# Altium PCB EE4951_BPM_REVA.PcbDoc (part 3 of 3)
Units mil, origin at the board's own origin, x right, y up, seen from the top; angles counter-clockwise.
Board outline 2500 x 2000 mil, 4 copper layers (Top Layer, Ground Plane, Mid Layer 1, Bottom Layer), stack 30.634 mil thick; 227 components, 141 nets, 756 pads, 403 vias.
Unrouted connection lines stored in the file: 7.
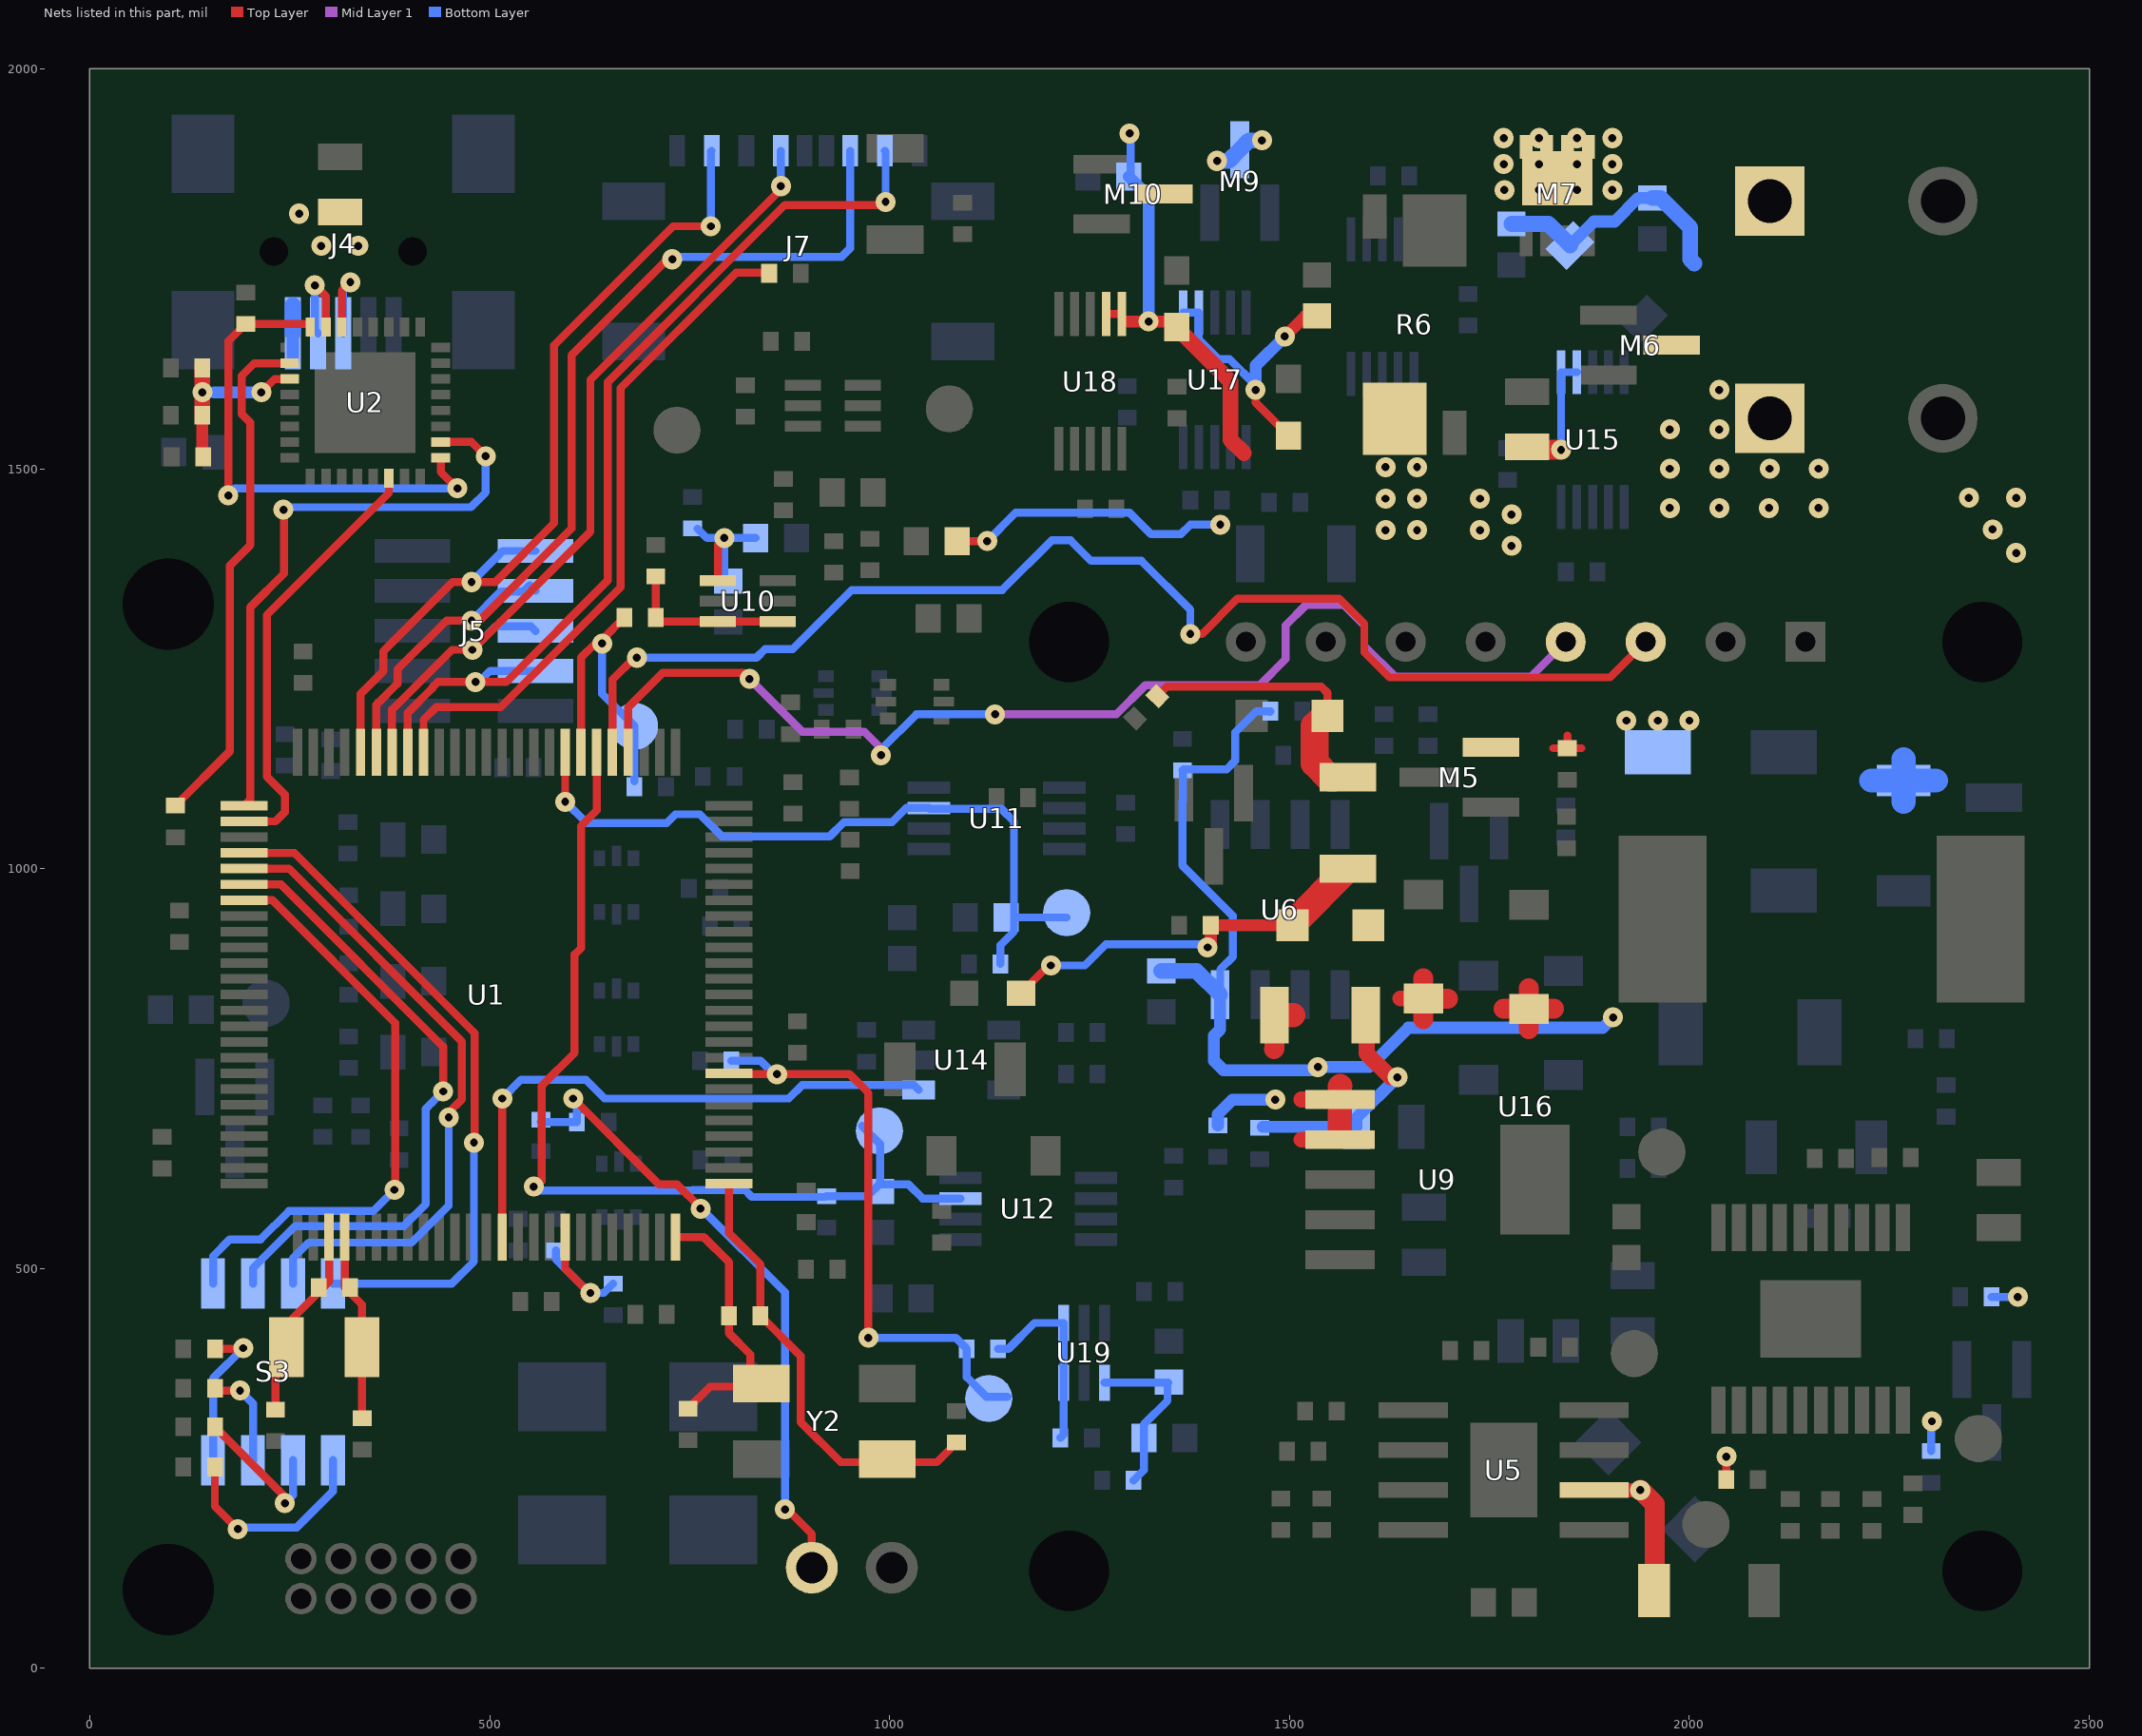
[diagram p5: the nets of this part, all layers, seen from the top]

## Via types
v1: diameter 25, hole 10, Top Layer to Bottom Layer, tented both sides, 360 vias
v2: diameter 25, hole 10, Top Layer to Bottom Layer, 43 vias

## Nets (pads, with @x,y where several pads share a name; then routed paths per layer and width w, separated by ;. In a path a pad name is that pad's centre, name@x,y a point inside that pad or via, vN(x,y) a via of type N, cw(c..) or ccw(c..) an arc to the next point about the centre after c; other vN are vias at no path point) (continued)
NetR78_2: R78.2 S3.1 | length 267.2
  Top Layer w10: R78.2@156.5,251.97 156.5,202.76 v1(185.04,174.21)
  Bottom Layer w10: v1(185.04,174.21) 187.01,176.18 258.86,176.18 304.13,221.46 S3.1@304.13,260.43
NetR79_2: R79.2 S3.2 | length 189.7
  Top Layer w10: R79.2@156.5,302.17 244.09,214.57 v1(244.09,206.69)
  Bottom Layer w10: v1(244.09,206.69) 254.13,216.73 S3.2@254.13,260.43
NetR80_2: R80.2 S3.3 | length 126.4
  Top Layer w10: R80.2@156.5,350.39 159.45,347.44 v1(187.99,347.44)
  Bottom Layer w10: v1(187.99,347.44) 204.13,331.3 S3.3@204.13,260.43
NetR81_2: R81.2 S3.4 | length 191.7
  Top Layer w10: R81.2@156.5,399.61 190.94,399.61 v1(191.93,400.59)
  Bottom Layer w10: S3.4@154.13,260.43 154.13,362.8 v1(191.93,400.59)
NetU1_79: U1.79 U16.4 | length 1470.4
  Top Layer w10: U1.79@673.23,1145.67 673.23,1201.77 716.04,1244.59 817.42,1244.59 v1(824.8,1237.2)
  Mid Layer 1 w10: v1(824.8,1237.2) 890.75,1171.26 968.5,1171.26 989.17,1150.59 v1(989.17,1141.73) ; v1(1131.89,1192.91) 1283.46,1192.91 1319.88,1229.33 1462.6,1229.33 1495.08,1261.81 1495.08,1304.13 1520.67,1329.72 1567.91,1329.72 1593.5,1304.13 1593.5,1278.54 1631.89,1240.16 1801.97,1240.16 U16.4@1845.28,1283.46
  Bottom Layer w10: v1(989.17,1141.73) 989.17,1148.62 1033.46,1192.91 v1(1131.89,1192.91)
NetU1_80: U1.80 U16.3 | length 1619.1
  Top Layer w10: U1.80@653.54,1145.67 653.54,1236.22 681.1,1263.78 v1(684.06,1263.78) ; v1(1375.98,1293.31) 1390.75,1293.31 1435.04,1337.6 1562.01,1337.6 1593.5,1306.1 1593.5,1270.67 1625,1239.17 1900.98,1239.17 U16.3@1945.28,1283.46
  Bottom Layer w10: v1(684.06,1263.78) 833.66,1263.78 844.49,1274.61 878.94,1274.61 952.76,1348.43 1140.75,1348.43 1202.76,1410.43 1226.38,1410.43 1251.97,1384.84 1314.96,1384.84 1375.98,1323.82 v1(1375.98,1293.31)
OPT0: S3.8 U1.4 | length 856.1
  Top Layer w10: U1.4@192.91,1019.68 255.91,1019.68 481.43,794.16 481.43,660.56 v1@478.35,657.48
  Bottom Layer w10: S3.8@304.13,481.3 452.76,481.3 480.32,508.86 v1(480.32,657.48)
OPT1: S3.7 U1.5 | length 827.5
  Top Layer w10: U1.5@192.91,1000 249.02,1000 465.43,783.59 465.43,711.72 448.82,695.11 v1(448.82,688.98)
  Bottom Layer w10: S3.7@254.13,481.3 254.13,512.99 273.62,532.48 402.56,532.48 448.82,578.74 v1(448.82,688.98)
OPT2: S3.6 U1.6 | length 807.3
  Top Layer w10: U1.6@192.91,980.31 239.17,980.31 441.93,777.56 v1(441.93,721.46)
  Bottom Layer w10: S3.6@204.13,481.3 204.13,500.39 256.89,553.15 392.72,553.15 420.28,580.71 420.28,699.8 428.15,707.68 v1(441.93,721.46)
OPT3: S3.5 U1.7 | length 756.9
  Top Layer w10: U1.7@192.91,960.63 228.35,960.63 381.89,807.09 381.89,599.41 v1(380.91,598.43)
  Bottom Layer w10: S3.5@154.13,481.3 154.13,515.35 175.2,536.42 213.58,536.42 249.02,571.85 354.33,571.85 v1(380.91,598.43)
OSC8M_N: C16.2 R21.2 U1.50 Y2.2 | length 335.7
  Top Layer w10: U1.50@732.28,539.37 767.72,539.37 799.21,507.87 R21.2@799.21,440.95 799.21,419.29 825.79,392.72 825.79,352.36 775.59,352.36 C16.2@748.03,324.8
OSC8M_P: C17.2 R21.1 U1.51 Y2.4 | length 561.2
  Top Layer w10: U1.51@799.21,606.3 799.21,544.29 838.58,504.92 R21.1@838.58,440.95 888.78,390.75 888.78,308.07 938.98,257.87 983.27,257.87 1059.05,257.87 C17.2@1083.66,282.48
OSC32K_N: C15.2 R20.1 U1.29 Y1.1 | length 235.3
  Top Layer w10: U1.29@318.9,539.37 318.9,476.38 340.55,454.72 Y1.1@340.55,401.57 C15.2@340.55,312.99
OSC32K_P: C14.2 R20.2 U1.28 Y1.2 | length 244.7
  Top Layer w10: C14.2@232.28,323.82 232.28,387.8 Y1.2@246.06,401.57 ; Y1.2@247.05,400.59 Y1.2@246.06,401.57 ; U1.28@299.21,539.37 299.21,483.27 246.06,430.12 Y1.2@246.06,401.57
PWR_FAIL_IRQ: U1.39 U14.1 | length 722.8
  Top Layer w10: U1.39@515.75,539.37 v1(515.75,712.6)
  Bottom Layer w10: v1(515.75,712.6) 539.37,736.22 620.08,736.22 643.7,712.6 874.02,712.6 890.75,729.33 1030.51,729.33 U14.1@1036.42,723.43
S\T\A\T\S\_\I\R\Q\: C12.1 R7.1 U1.43 | length 188.8
  Top Layer w10: U1.43@594.49,539.37 594.49,500 625,469.49 v1(625.98,469.49)
  Bottom Layer w10: R7.1@582.68,522.83 582.68,511.81 625,469.49 v1(625.98,469.49) 642.72,469.49 C12.1@654.53,481.3
SD_C\S\: J5.4 J7.P2 U1.93 | length 1204.4
  Top Layer w10: U1.93@397.64,1145.67 397.64,1194.88 428.15,1225.39 428.15,1226.38 435.04,1233.27 v1(482.28,1233.27) 520.67,1233.27 647.64,1360.24 647.64,1608.27 869.09,1829.72 995.08,1829.72 v1(995.08,1833.66)
  Bottom Layer w10: v1(482.28,1233.27) 486.81,1233.27 500.79,1247.24 J5.4@557.09,1247.24 ; J7.P2@994.09,1897.64 995.08,1896.65 v1(995.08,1833.66)
SD_CLK: J5.6 J7.P5 U1.94 | length 1061.7
  Top Layer w10: U1.94@377.95,1145.67 377.95,1198.82 452.78,1273.65 v1(478.37,1273.65) 625.98,1421.26 625.98,1611.22 864.17,1849.41 v1(864.17,1853.35)
  Bottom Layer w10: v1(478.37,1273.65) 507.87,1303.15 551.18,1303.15 J5.6@557.09,1297.24 ; v1(864.17,1853.35) J7.P5@864.17,1897.64
SD_DETECT: R26.1 U1.92 | length 850.3
  Top Layer w10: U1.92@417.32,1145.67 417.32,1186.02 433.07,1201.77 513.78,1201.77 663.64,1351.63 663.64,1600.65 808.07,1745.08 848.43,1745.08 R26.1@849.41,1744.09
SD_MISO: J5.10 J7.P7 U1.96 | length 1088.5
  Top Layer w10: U1.96@338.58,1145.67 338.58,1218.5 367.13,1247.05 367.13,1271.65 453.74,1358.27 v1(477.36,1358.27) 506.89,1358.27 580.71,1432.09 580.71,1654.53 729.33,1803.15 v1(776.57,1803.15)
  Bottom Layer w10: v1(477.36,1358.27) 516.34,1397.24 J5.10@557.09,1397.24 ; v1(776.57,1803.15) 776.57,1896.65 J7.P7@777.56,1897.64
SD_MOSI: J5.8 J7.P3 U1.95 | length 1258.4
  Top Layer w10: U1.95@358.27,1145.67 358.27,1204.72 384.84,1231.3 384.84,1249.02 445.87,1310.04 v1(477.36,1310.04) 487.2,1310.04 602.36,1425.2 602.36,1641.73 728.35,1767.72 v1(728.35,1761.81)
  Bottom Layer w10: v1(477.36,1310.04) 513.78,1346.46 542.13,1346.46 550,1354.33 J5.8@557.09,1347.24 ; v1(728.35,1761.81) 728.35,1764.76 939.96,1764.76 950.79,1775.59 J7.P3@950.79,1897.64
SELF_3V3_ISENSE: C54.1 R52.2 TP8.1 U1.81 U12.7 | length 1231.3
  Top Layer w10: v1@561.02,608.27 v1(555.12,602.36) ; U1.81@633.86,1145.67 633.86,1072.83 614.17,1053.15 614.17,900.59 606.3,892.72 606.3,769.69 564.96,728.35 564.96,609.25 v1@556.1,600.39 ; v1@555.12,599.41 v1@556.1,600.39 ; v1@555.12,599.41 556.1,598.43 v1@556.1,600.39 ; v1@555.12,599.41 v1(555.12,602.36) ; v1(555.12,602.36) 556.1,601.38 v1@556.1,600.39
  Bottom Layer w10: v1(555.12,602.36) 560.04,597.44 753.18,597.44 754.05,598.3 819.02,598.3 827.76,589.57 920.28,589.57 C54.1@921.26,590.55 972.44,590.55 R52.2@988.19,606.3 ; TP8.1@965.55,678.15 988.19,655.51 R52.2@988.19,606.3 ; U12.7@1088.58,587.6 1041.34,587.6 1023.62,605.31 989.17,605.31 R52.2@988.19,606.3
SELF_3V3_VSENSE: C70.1 R73.2 TP11.1 U1.58 | length 780.9
  Top Layer w10: U1.58@799.21,744.09 800.2,743.11 v1(859.25,743.11) 949.8,743.11 973.43,719.49 v1(973.43,413.39)
  Bottom Layer w10: C70.1@802.17,759.84 838.58,759.84 856.3,742.13 857.28,743.11 v1(859.25,743.11) ; v1(973.43,413.39) 1082.68,413.39 R73.2@1096.46,399.61 1096.46,364.17 1121.06,339.57 TP11.1@1147.64,339.57
SELF_5V_ISENSE: C48.1 R47.2 TP7.1 U1.83 U11.7 | length 922.6
  Top Layer w10: v1(594.49,1083.66) U1.83@594.49,1145.67
  Bottom Layer w10: v1(594.49,1083.66) 621.06,1057.09 721.46,1057.09 732.28,1067.91 762.8,1067.91 790.35,1040.35 925.2,1040.35 942.91,1058.07 1002.95,1058.07 1020.67,1075.79 U11.7@1049.21,1075.79 1050.2,1074.8 1139.76,1074.8 1155.51,1059.06 R47.2@1155.51,938.98 ; C48.1@1138.78,880.91 1138.78,904.53 1155.51,921.26 R47.2@1155.51,938.98 ; TP7.1@1221.46,938.98 R47.2@1155.51,938.98
SELF_5V_VSENSE: C49.1 R45.2 TP6.1 U1.82 | length 384.9
  Top Layer w10: U1.82@614.17,1145.67 614.17,1263.78 631.89,1281.5 v1(640.75,1281.5) 640.75,1286.42 R45.2@668.31,1313.98
  Bottom Layer w10: v1(640.75,1281.5) 640.75,1218.5 TP6.1@681.1,1178.15 C49.1@681.1,1109.25
STATS_SW_IRQ: J6.1 R8.1 R9.2 | length 803.4
  Top Layer w10: v1(604.33,712.6) 711.61,605.31 734.25,605.31 763.78,575.79 v1(763.78,574.8) ; v1@869.44,201.43 902.76,168.11 J6.1@902.76,125.98
  Bottom Layer w10: R9.2@563.98,683.07 R8.1@609.25,683.07 609.25,707.68 v1(604.33,712.6) ; v1(763.78,574.8) 764.76,574.8 869.09,470.47 v1(869.09,198.82)
U2_R\E\S\E\T\: R19.2 U2.18 | length 647.2
  Top Layer w10: R19.2@107.28,1078.74 175.2,1146.65 175.2,1378.94 200.79,1404.53 200.79,1557.82 189.96,1568.65 189.96,1616.14 205.71,1631.89 U2.18@250,1631.89
UART1_RX: U1.2 U2.30 | length 546
  Top Layer w10: U1.2@192.91,1059.06 232.28,1059.06 244.09,1070.87 244.09,1092.52 221.46,1115.16 221.46,1316.93 374.02,1469.49 U2.30@374.02,1488.19
UART1_TX: U1.1 U2.2 | length 761.9
  Top Layer w10: U1.1@192.91,1078.74 200.79,1086.61 200.79,1326.77 243.11,1369.09 243.11,1447.83 v1(242.13,1448.82) ; U2.2@438.98,1533.46 477.36,1533.46 v1(495.08,1515.75)
  Bottom Layer w10: v1(242.13,1448.82) 245.2,1451.89 476.5,1451.89 495.08,1470.47 v1(495.08,1515.75)
USB_3V3: C13.2 U2.1 U2.16 | length 643.5
  Top Layer w10: v1(173.23,1466.54) 173.23,1659.45 C13.2@194.88,1681.1 271.65,1681.1 U2.16@275.59,1677.17 ; U2.1@438.98,1513.78 438.98,1496.06 v1(459.65,1475.39)
  Bottom Layer w10: v1(173.23,1466.54) 173.23,1467.52 181.1,1475.39 v1(459.65,1475.39)
USB_5V: C1.1 C10.1 C11.1 J4.1 M5.2 R1.2 R32.2 U2.19 | length 350.4
  Top Layer w10: v1(214.57,1595.47) 231.3,1612.2 U2.19@250,1612.2 ; 1847.44,1166.34 R32.2@1847.44,1150.59 ; 1865.16,1150.59 R32.2@1847.44,1150.59 ; R32.2@1847.44,1150.59 1829.72,1150.59 R32.2@1847.44,1150.59
  Top Layer w15: R1.2@140.75,1515.75 C11.1@140.75,1566.93
  Top Layer w20: C11.1@140.75,1566.93 v1(140.75,1595.47) C1.1@140.75,1625.98
  Bottom Layer w15: 155.51,1595.47 v1(214.57,1595.47) ; J4.1@253.94,1634.84 J4.1@253.94,1669.29
  Bottom Layer w20: J4.1@253.94,1669.29 J4.1@253.94,1704.72
  other v1: 2408.46,1394.68 2378.94,1424.21 2349.41,1463.58 2408.46,1463.58 289.37,1778.54 335.63,1778.54 261.81,1818.9
USBD_N: J4.2 U2.15 | length 119.5
  Top Layer w10: v1(281.5,1729.33) 295.28,1715.55 U2.15@295.28,1677.17
  Bottom Layer w10: v1(281.5,1729.33) 281.5,1673.23 J4.2@285.43,1669.29
USBD_P: J4.3 U2.14 | length 128.1
  Top Layer w10: U2.14@315.28,1677.17 315.28,1722.76 v1(325.79,1733.27)
  Bottom Layer w10: J4.3@316.93,1669.29 316.93,1724.41 v1(325.79,1733.27)
V3_ISENSE_N: R42.2 R50.1 U9.1 U9.2 | length 310.9
  Top Layer w20: 1514.76,711.12 1514.86,711.22 U9.1@1562.99,711.22 ; 1515.06,661.22 U9.2@1562.99,661.22
  Top Layer w25: 1480.81,774.61 1481.3,775.1 R42.2@1481.3,816.93
  Top Layer w30: R42.2@1481.3,816.93 1504.92,816.93 ; 1562.99,673.23 U9.1@1562.99,711.22 1562.99,727.85 1563.48,728.35
  Bottom Layer w15: R50.1@1410.43,679.13 1410.43,692.91 1428.74,711.22 v1(1482.28,711.22)
V3_ISENSE_P: C44.1 D4.1 D7.1 NT2.2 R42.1 R51.1 | length 537.4
  Top Layer w20: R42.1@1596.46,830.71 1596.46,768.7 1625.98,739.17 v1(1634.84,739.17) ; 1638.78,837.6 D7.1@1667.32,837.6
  Top Layer w25: 1667.32,812.01 D7.1@1667.32,837.6 ; 1667.32,863.19 D7.1@1667.32,837.6 ; 1697.83,837.6 D7.1@1667.32,837.6 ; 1767.72,824.8 D4.1@1799.21,824.8 ; 1799.21,799.21 D4.1@1799.21,824.8 ; 1799.21,850.39 D4.1@1799.21,824.8 ; 1830.71,824.8 D4.1@1799.21,824.8
  Bottom Layer w15: R51.1@1466.54,677.17 C44.1@1583.66,677.17 1583.66,687.99 v1(1634.84,739.17)
V3_VSENSE_IN: C72.1 R72.1 R74.2 U19.1 | length 219.6
  Bottom Layer w10: U19.1@1268.78,357.28 1348.43,357.28 1347.44,356.3 1347.44,334.65 1317.91,305.12 R74.2@1317.91,288.39 1317.91,248.03 C72.1@1305.12,235.24
V3_VSENSE_OUT: C71.1 R73.1 U19.3 U19.4 | length 240.6
  Bottom Layer w10: R73.1@1135.83,399.61 1148.62,399.61 1181.1,432.09 U19.4@1217.6,432.09 U19.3@1217.6,357.28 1217.6,292.4 C71.1@1213.58,288.39
V5_ISENSE_N: NT1.1 R30.2 R43.1 | length 365.2
  Top Layer w10: R43.1@1334.79,1215.69 1346.46,1227.36 1539.94,1227.36 1547.44,1219.86 1547.44,1193.9 NT1.1@1547.44,1190.94
  Top Layer w30: R30.2@1556.1,1113.19 R30.2@1563.98,1113.19
  Top Layer w31.5: R30.2@1563.98,1113.19 R30.2@1570.87,1113.19
  Top Layer w35: NT1.1@1547.44,1193.9 1531.5,1177.95 1531.5,1131.89 1550.2,1113.19 R30.2@1556.1,1113.19
V5_ISENSE_P: NT2.1 R30.1 R46.1 R56.1 | length 498.9
  Top Layer w10: R56.1@1164.37,844.49 1198.82,878.94 v1(1201.77,878.94)
  Top Layer w15: v1(1397.64,901.57) 1401.57,905.51 R46.1@1401.57,929.13 NT2.1@1503.74,929.13
  Top Layer w35: NT2.1@1503.74,929.13 1503.74,930.91 R30.1@1572.83,1000
  Bottom Layer w10: v1(1201.77,878.94) 1244.09,878.94 1270.67,905.51 1401.57,905.51 v1(1397.64,901.57)
V5_VSENSE_IN: C51.1 R44.2 R48.1 U10.1 | length 190.3
  Top Layer w10: U10.1@785.43,1360.24 785.43,1405.51 v1(793.31,1413.39)
  Bottom Layer w10: C51.1@759.84,1425.2 771.65,1413.39 v1(793.31,1413.39) ; R44.2@798.23,1359.25 793.31,1364.17 v1(793.31,1413.39) ; R48.1@832.68,1413.39 v1(793.31,1413.39)
V5_VSENSE_OUT: C50.1 R45.1 U10.3 U10.4 | length 205.8
  Top Layer w10: C50.1@707.68,1365.16 R45.1@707.68,1313.98 712.6,1309.06 U10.3@785.43,1309.06 U10.4@860.24,1309.06
V_BAT: C26.2 C28.1 C29.2 D8.2 D12.1 J1.1 R6.3 R10.2 R11.2 R12.2 R13.2 R14.2 R17.2 R18.2 R22.2 R34.2 R62.2 R63.2 R64.2 R65.2 U5.2 U6.8 U15.1 U15.2 U17.1 U17.2 U18.1 U18.2 | length 3340
  Top Layer w10: R22.2@1084.65,1409.45 v1(1122.05,1409.45) ; U18.2@1270.67,1693.5 U18.1@1290.35,1693.5 ; v1(1457.68,1598.43) 1457.68,1582.68 R63.2@1499.02,1541.34 ; C29.2@2046.26,236.22 v1(2046.26,264.76)
  Top Layer w15: U18.1@1293.31,1684.06 v1(1323.82,1684.06) R65.2@1351.38,1684.06 ; v1(1494.09,1665.35) 1519.69,1690.95 R62.2@1534.45,1690.95
  Top Layer w18: U5.2@1880.91,222.97 v1(1938.52,222.97) v1@1938.98,223.43
  Top Layer w20: R65.2@1359.25,1676.18 1426.18,1609.25 1426.18,1536.42 1442.91,1519.69 ; R63.2@1499.02,1541.34 R63.2@1501.97,1538.39 ; v1@1959.65,1187.01 v1@1960.63,1187.01
  Top Layer w25: R17.2@1797.24,1527.56 1801.18,1523.62 v1(1839.57,1523.62) ; v1@1938.98,223.43 1956.69,205.71 C28.1@1956.69,88.58
  Top Layer w40: R6.3@1629.92,1561.02 R6.3@1631.5,1562.6
  Bottom Layer w10: v1(1122.05,1409.45) 1157.48,1444.88 1300.2,1444.88 1326.77,1418.31 1364.17,1418.31 1375.98,1430.12 v1(1413.39,1430.12) ; R64.2@1299.21,1865.16 1301.18,1867.13 1301.18,1918.31 v1(1300.2,1919.29) ; U17.1@1367.13,1695.47 1386.5,1695.47 1386.5,1661.73 1411.42,1636.81 1425.2,1636.81 v1@1457.68,1604.33 ; U6.8@1413.19,834.65 1413.39,834.84 1413.39,874.02 1429.13,889.76 1429.13,940.94 1366.14,1003.94 1366.14,1083.89 1367,1084.75 1367,1122.17 R12.2@1366.14,1123.03 1367.13,1124.02 1421.26,1124.02 1432.09,1134.84 1432.09,1170.28 1458.66,1196.85 R11.2@1476.38,1196.85 R11.2@1475.39,1195.87 ; v1(1839.57,1523.62) U15.1@1839.57,1620.67 U15.2@1859.25,1620.67 ; R10.2@2302.17,271.65 2302.17,308.07 v1(2303.15,309.06) ; R14.2@2377.95,464.57 v1(2410.43,464.57)
  Bottom Layer w15: R64.2@1299.21,1865.16 1323.82,1840.55 v1(1323.82,1684.06) ; U6.8@1413.19,842.52 1413.19,834.65 1413.19,799.02 1405.51,791.34 1405.51,759.84 1417.32,748.03 1531.5,748.03 v1(1535.43,751.97) 1599.41,751.97 1648.62,801.18 1891.73,801.18 v1(1904.53,813.98) ; v1(1457.68,1598.43) 1457.68,1604.33 1457.68,1628.94 v1(1494.09,1665.35) ; D12.1@1850.72,1779.2 1880.57,1809.06 1906.5,1809.06 1936.02,1838.58 R13.2@1953.74,1838.58
  Bottom Layer w20: C26.2@1339.57,872.05 1383.66,872.05 U6.8@1413.19,842.52 ; R18.2@1777.56,1806.1 1823.82,1806.1 D12.1@1850.72,1779.2 ; R13.2@1953.74,1838.58 1963.58,1838.58 2000.98,1801.18 2000.98,1761.81 2005.91,1756.89
  Bottom Layer w30: 2227.36,1110.24 R34.2@2267.72,1110.24 ; 2267.72,1083.66 R34.2@2267.72,1110.24 ; 2267.72,1136.81 R34.2@2267.72,1110.24 ; 2308.07,1110.24 R34.2@2267.72,1110.24
  other v1: 1921.26,1185.04 1960.63,1185.04 2000,1185.04 1777.56,1403.54 1620.08,1423.23 1659.45,1423.23 1738.19,1423.23 1777.56,1442.91 1975.39,1450.79 2037.4,1450.79 2099.41,1450.79 2161.42,1450.79 1620.08,1462.6 1659.45,1462.6 1738.19,1462.6 1975.39,1500 2037.4,1500 2100.39,1500 2161.42,1500 1620.08,1501.97 1659.45,1501.97 1975.39,1549.21 2037.4,1549.21 2037.4,1598.43
V_DUT: J2.1 M6.3 M7.5 M7.6 M7.7 M7.8 M9.3 M10.3 | length 66.7
  Bottom Layer w20: v1(1409.45,1884.84) 1423.83,1884.84 M9.3@1437.85,1898.87 1449.42,1910.43 v1(1465.55,1910.43)
  other v1: 1768.7,1848.43 1812.01,1848.43 1859.25,1848.43 1903.54,1848.43 1767.72,1880.91 1812.01,1880.91 1859.25,1880.91 1903.54,1880.91 1767.72,1913.39 1812.01,1913.39 1859.25,1913.39 1903.54,1913.39
pads on no net: J3.7 J3.9 J4.0 J4.4 J7.P1 J7.P8 M1.3 M1.4 M1.5 Mech1.1 Mech2.1 U1.10 U1.11 U1.12 U1.13 U1.14 U1.15 U1.16 U1.17 U1.18 U1.19 U1.20 U1.21 U1.26 U1.27 U1.31 U1.32 U1.33 U1.42 U1.44 U1.45 U1.46 U1.47 U1.57 U1.59 U1.62 U1.63 U1.64 U1.65 U1.66 U1.67 U1.68 U1.69 U1.71 U1.78 U1.84 U1.85 U1.86 U1.87 U1.90 U1.91 U2.3 U2.5 U2.6 U2.7 U2.8 U2.9 U2.10 U2.11 U2.12 U2.13 U2.21 U2.22 U2.23 U2.25 U2.27 U2.28 U2.29 U2.31 U2.32 U7.3 U13.4 U15.4 U16.0 U16.6 U17.4 U18.4

## Polygon pours and split planes (outlines as drawn)
V_DUT on Top Layer "V_DUT_L01_P002" (solid, pour order 2): 25 vertices, not listed, extent 1326.77,1642.72 2163.39,1928.15
GND on Top Layer "Top Ground Ring" (solid, pour order 22): 43 vertices, not listed, extent 0,0 2500,2000
V_BAT on Top Layer "Top VBAT Plane" (solid, pour order 52): 43 vertices, not listed, extent 1357.28,1333.66 2246.06,1668.31
NetM7_1 on Top Layer "NetM7_1" (solid, pour order 56): 1640.75,1752.95 1660.43,1733.27 1729.33,1733.27 1739.17,1743.11 1847.44,1743.11 1847.44,1745.08 1855.32,1752.95 1855.32,1812.01 1850.39,1816.93 1751.97,1816.93 1722.44,1846.46 1643.7,1846.46 1640.75,1843.5
USB_5V on Top Layer "Top USB_5v Plane" (solid, pour order 86): 288.39,1837.6 249.02,1837.6 242.13,1830.71 242.13,1795.28 258.86,1778.54 258.86,1768.7 268.7,1758.86 337.6,1758.86 350.39,1758.86 364.17,1772.64 364.17,1821.85 364.17,1827.76 354.33,1837.6
USB_5V on Top Layer "Top USB_5v Plane" (solid, pour order 92): 29 vertices, not listed, extent 1716.54,1081.69 2426.18,1478.35
GND on Top Layer "Top Ground Ring" (solid, pour order 24): 50 vertices, not listed, extent 0,232.28 2251.97,2000
GND on Top Layer "Top Ground Ring" (solid, pour order 26): 20 vertices, not listed, extent 507.87,74.8 1040.41,374.02
GND on Top Layer "Top Ground Ring" (solid, pour order 28): 94 vertices, not listed, extent 851.62,39.37 1393.7,1184.06
NetD8_1 on Top Layer "Top" (solid, pour order 106): 1911.42,1041.34 1940.94,1070.87 2039.37,1070.87 2051.18,1059.06 2051.18,911.42 2011.81,872.05
NetD10_2 on Top Layer "Top Power" (solid, pour order 114): 2105.32,833.66 2185.04,753.94 2213.58,753.94 2292.32,832.68 2312.01,832.68 2312.01,1041.34 2243.11,1041.34 2213.58,1011.81 2203.74,1001.97 2203.74,913.39 2164.37,874.02 2114.17,874.02 2105.32,865.16
NetC36_1 on Top Layer "Top Power" (solid, pour order 116): 23 vertices, not listed, extent 2042.32,548.23 2189.96,1013.78
NetD4_2 on Top Layer "Bottom Power" (solid, pour order 124): 1665.35,928.15 1675.2,937.99 1704.72,937.99 1744.09,977.36 1763.78,997.05 1812.99,997.05 1852.36,957.68 1852.36,928.15 1812.99,888.78 1691.93,888.78 1665.35,915.35
no net on Top Layer "Top V5_SUM" (solid, pour order 128): 20 vertices, not listed, extent 1579.72,781.5 1847.44,948.82
V3_ISENSE_N on Top Layer "Top LDO In" (solid, pour order 130): 1463.58,852.36 1463.58,779.53 1468.5,774.61 1468.5,669.29 1488.19,649.61 1606.3,649.61 1606.3,723.43 1547.24,782.48 1547.24,821.85 1547.24,842.52 1537.4,852.36
3.3V on Top Layer "3.3v Out" (solid, pour order 132): 1616.14,582.68 1478.35,582.68 1478.35,444.88 1616.14,444.88
GND on Top Layer "Top GND" (solid, pour order 134): 18 vertices, not listed, extent 1600.39,498.03 1937.99,713.58
GND on Top Layer "Top GND Plane" (solid, pour order 102): 124.02,915.35 124.02,923.23 118.11,929.13 90.55,929.13 61.02,958.66 61.02,750.98 70.87,760.83 113.19,760.83 124.02,771.65 124.02,893.7
GND on Top Layer "Top Ground Plane" (solid, pour order 144): 28 vertices, not listed, extent 54.13,391.73 357.28,927.17
GND on Top Layer "Top Ground Plane" (solid, pour order 146): 27 vertices, not listed, extent 281.5,734.25 573.82,1120.08
GND on Ground Plane "Internal Ground Plane" (solid, pour order 6): 9.84,9.84 9.84,1990.16 2490.16,1990.16 2490.16,9.84
GND on Mid Layer 1 "Mid Ground Plane" (solid, pour order 152): 36 vertices, not listed, extent 1052.17,712.6 1726.38,1241.14
V_BAT on Mid Layer 1 "Internal VBAT Plane" (solid, pour order 54): 25 vertices, not listed, extent 1599.41,1336.61 2140.75,1577.76
V_BAT on Mid Layer 1 "Internal VBAT Plane" (solid, pour order 16): 31 vertices, not listed, extent 1334.65,62.5 2440.94,1625.98
3.3V on Mid Layer 1 "Internal 3.3v Plane" (solid, pour order 50): 80 vertices, not listed, extent 55.12,60.04 1616.14,1822.1
V_DUT on Mid Layer 1 "Internal V_DUT Plane" (solid, pour order 58): 1739.17,1928.15 1729.33,1918.31 1729.33,1864.17 1730.32,1864.17 1765.75,1828.74 1927.17,1828.74 1986.22,1769.68 2140.75,1769.68 2163.39,1792.32 2163.39,1878.94 2114.17,1928.15
GND on Mid Layer 1 "Internal GND Plane" (solid, pour order 60): 49 vertices, not listed, extent 988.19,1496.06 2373.03,1886.81
USB_5V on Mid Layer 1 "Internal USB_5v Plane" (solid, pour order 88): 38 vertices, not listed, extent 235.24,1372.05 2440.94,1973.43
GND on Mid Layer 1 "Internal GND Ring" (solid, pour order 90): 40 vertices, not listed, extent 0,0 2500,2000
GND on Mid Layer 1 "Internal Ground Thermal" (solid, pour order 136): 1631.89,709.65 1885.83,709.65 1885.83,509.84 1631.89,509.84
GND on Bottom Layer "Botton Ground Ring" (solid, pour order 30): 55 vertices, not listed, extent 0,0 2500,2000
GND on Bottom Layer "Bottom Ground Thermal" (solid, pour order 36): 2172.24,495.08 2083.66,583.66 1995.08,583.66 1981.3,569.88 1981.3,382.87 2067.91,296.26 2243.11,296.26 2244.09,296.26 2305.12,357.28 2306.1,358.27 2306.1,493.11 2299.21,500 2294.29,500 2284.45,500 2279.53,495.08
3.3V on Bottom Layer "Botton 3.3v Thermal" (solid, pour order 40): 1616.14,444.88 1448.82,444.88 1419.29,474.41 1419.29,572.83 1429.13,582.68 1458.66,582.68 1507.87,631.89 1596.46,631.89 1606.3,631.89 1616.14,622.05
GND on Bottom Layer "Botton Ground Thermal" (solid, pour order 38): 18 vertices, not listed, extent 1767.72,457.68 2011.81,708.66
V_DUT on Bottom Layer "Bottom V_DUT Plane" (solid, pour order 78): 20 vertices, not listed, extent 1746.06,1767.72 2165.35,1928.15
V_BAT on Bottom Layer "Bottom V_BAT Plane" (solid, pour order 80): 39 vertices, not listed, extent 1887.8,1025.59 2328.74,1788.39
USB_5V on Bottom Layer "Bottom USB_5v Plane" (solid, pour order 82): 21 vertices, not listed, extent 124.02,1574.8 357.28,1837.6
USB_5V on Bottom Layer "Bottom USB_5v Plane" (solid, pour order 94): 2316.93,1475.39 2326.77,1485.24 2410.43,1485.24 2425.2,1470.47 2425.2,1465.55 2425.2,1379.92 2395.67,1350.39 2375.98,1350.39 2357.28,1350.39 2316.93,1390.75
NetD8_1 on Bottom Layer "Bottom Power" (solid, pour order 104): 17 vertices, not listed, extent 1920.28,911.42 2159.45,1172.24
NetC36_1 on Bottom Layer "Top" (solid, pour order 108): 2077.76,1000 2077.76,921.26 2087.6,911.42 2186.02,911.42 2373.03,911.42 2375,911.42 2416.34,952.76 2416.34,998.03 2400.59,1013.78 2091.54,1013.78
NetD10_2 on Bottom Layer "Top Power" (solid, pour order 112): 2105.32,763.78 2115.16,753.94 2213.58,753.94 2233.27,773.62 2233.27,862.2 2221.46,874.02 2113.19,874.02 2105.32,866.14
BOOST_OUT on Bottom Layer "Bottom Boost Out" (solid, pour order 118): 30 vertices, not listed, extent 1817.91,552.17 2173.23,874.02
NetD5_1 on Bottom Layer "Bottom Power" (solid, pour order 122): 1712.6,848.43 1712.6,884.84 1726.38,890.75 1732.28,897.64 1739.17,897.64 1751.97,910.43 1751.97,1081.69 1801.18,1081.69 1811.02,1071.85 1811.02,983.27 1867.13,927.17 1867.13,855.31 1817.91,855.31 1811.02,848.43 1807.09,848.43
NetD4_2 on Bottom Layer "Bottom Power" (solid, pour order 126): 1736.22,1003.94 1736.22,915.35 1726.38,905.51 1712.6,905.51 1701.28,894.19 1678.64,894.19 1657.48,915.35 1657.48,954.72 1706.69,1003.94
GND on Bottom Layer "Bottom Ground" (solid, pour order 142): 21 vertices, not listed, extent 229.33,249.02 515.75,456.69
GND on Bottom Layer "Bottom Ground Plane" (solid, pour order 148): 35 vertices, not listed, extent 329.72,1002.95 654.53,1212.6
GND on Bottom Layer "Bottom Ground Plane" (solid, pour order 150): 44 vertices, not listed, extent 673.23,731.3 1076.77,1042.32
GND on Bottom Layer "Botton Ground Ring" (solid, pour order 32): 36 vertices, not listed, extent 0,236.22 2185.04,2000
GND on Bottom Layer "Botton Ground Ring" (solid, pour order 34): 23 vertices, not listed, extent 1325.79,66.93 1822.87,464.57
GND on Bottom Layer "Bottom GND Plane" (solid, pour order 66): 1752.95,1950.79 1693.9,1891.73 1595.47,1891.73 1556.1,1852.36 1506.89,1852.36 1487.2,1872.05 1487.2,1940.94 1467.52,1960.63 1752.95,1960.63
GND on Bottom Layer "Bottom GND Plane" (solid, pour order 70): 69 vertices, not listed, extent 195.87,1324.8 1336.61,1968.5
GND on Bottom Layer "Bottom GND Plane" (solid, pour order 72): 708.66,1921.26 718.5,1931.1 797.24,1931.1 816.93,1911.42 824.8,1911.42 834.65,1921.26 844.49,1931.1 1061.02,1931.1 1080.71,1911.42 1080.71,1970.47 708.66,1970.47
GND on Bottom Layer "Bottom GND Plane" (solid, pour order 74): 18 vertices, not listed, extent 54.13,1413.39 376.97,1966.54
GND on Bottom Layer "Bottom GND Ring" (solid, pour order 96): 2450.79,456.69 2431.1,437.01 2413.39,437.01 2403.54,427.17 2403.54,318.9 2413.39,309.06 2413.39,190.94 2450.79,190.94
GND on Bottom Layer "Bottom GND Plane" (solid, pour order 98): 37 vertices, not listed, extent 498.03,102.36 852.36,553.15
GND on Bottom Layer "Bottom Ground" (solid, pour order 138): 75 vertices, not listed, extent 1023.62,365.16 1485.24,885.83

## Other copper
Top Layer:
  region net GND: 2294.29,374.02 2294.29,500 2010.83,500 2010.83,374.02
  region net GND: 1822.83,358.2 1712.6,358.2 1712.6,137.73 1822.83,137.73
  rectangle net V3_ISENSE_P: 1586.34,902.83 1628.94,948.82
  region net 5V: 1477.36,1213.58 1412.4,1213.58 1398.62,1199.8 1398.62,1180.12 1434.06,1144.68 1473.43,1144.68 1473.43,1144.69 1479.33,1150.59 1479.33,1169.29 1489.17,1179.13 1489.17,1188.98
  pour cut-out: 115.16,1641.73 115.16,1551.18 87.6,1551.18 87.6,1641.73
  pour cut-out: 281.5,1873.03 344.49,1873.03 344.49,1910.43 281.5,1910.43
  pour cut-out: 1829.72,1166.34 1865.16,1166.34 1865.16,1134.84 1829.72,1134.84
  pour cut-out: 177.17,1704.72 212.6,1704.72 212.6,1736.22 177.17,1736.22
  pour cut-out: 965.55,1924.21 1048.23,1924.21 1048.23,1876.97 965.55,1876.97
  pour cut-out: 1109.25,1848.43 1109.25,1816.93 1073.82,1816.93 1073.82,1848.43
  pour cut-out: 95.47,923.23 128.94,923.23 128.94,893.7 95.47,893.7
  pour cut-out: 730.32,301.18 765.75,301.18 765.75,269.68 730.32,269.68
  pour cut-out: 783.46,288.39 783.46,227.36 868.11,227.36 868.11,288.39
  pour cut-out: 941.93,382.87 1025.59,382.87 1025.59,321.85 941.93,321.85
  pour cut-out: 1065.94,307.09 1065.94,337.6 1101.38,337.6 1101.38,307.09
  pour cut-out: 1157.48,1106.3 1157.48,1070.87 1188.98,1070.87 1188.98,1106.3
  pour cut-out: 1522.64,188.98 1522.64,157.48 1558.07,157.48 1558.07,188.98
  pour cut-out: 1471.46,188.98 1471.46,157.48 1506.89,157.48 1506.89,188.98
  pour cut-out: 2108.27,187.99 2108.27,156.5 2143.7,156.5 2143.7,187.99
  pour cut-out: 2158.46,187.99 2158.46,156.5 2193.9,156.5 2193.9,187.99
  pour cut-out: 2066.93,137.8 2120.08,137.8 2120.08,57.09 2066.93,57.09
  pour cut-out: 2352.36,643.7 2421.26,643.7 2421.26,596.46 2352.36,596.46
  pour cut-out: 1767.72,980.31 1767.72,929.13 1830.71,929.13 1830.71,980.31
  pour cut-out: 1636.81,863.19 1636.81,812.01 1697.83,812.01 1697.83,863.19
  pour cut-out: 1767.72,850.39 1767.72,799.21 1830.71,799.21 1830.71,850.39
  pour cut-out: 1456.69,859.25 1456.69,774.61 1504.92,774.61 1504.92,859.25
  pour cut-out: 1514.76,728.35 1514.76,693.9 1612.2,693.9 1612.2,728.35
  pour cut-out: 1514.76,678.15 1514.76,643.7 1612.2,643.7 1612.2,678.15
  pour cut-out: 1513.78,528.54 1513.78,494.09 1616.14,494.09 1616.14,528.54
  pour cut-out: 1514.76,582.68 1514.76,543.31 1616.14,543.31 1616.14,582.68
  pour cut-out: 1897.64,535.43 1897.64,492.13 1944.88,492.13 1944.88,535.43
  pour cut-out: 986.22,789.37 1038.39,789.37 1038.39,708.66 986.22,708.66
  pour cut-out: 1047.24,548.23 1047.24,516.73 1082.68,516.73 1082.68,548.23
  pour cut-out: 72.83,639.76 72.83,610.24 108.27,610.24 108.27,639.76
  pour cut-out: 158.46,636.81 158.46,595.47 227.36,595.47 227.36,636.81
  pour cut-out: 934.06,1013.78 934.06,981.3 967.52,981.3 967.52,1013.78
Bottom Layer:
  region net GND: 2294.29,374.02 2294.29,500 2010.83,500 2010.83,374.02
  region net GND: 1822.83,358.2 1712.6,358.2 1712.6,137.73 1822.83,137.73
  pour cut-out: 371.06,1718.5 393.7,1718.5 393.7,1620.08 371.06,1620.08
  pour cut-out: 2338.58,1113.19 2423.23,1113.19 2423.23,1063.98 2338.58,1063.98
  pour cut-out: 126.97,1544.29 83.66,1544.29 83.66,1497.05 126.97,1497.05
  pour cut-out: 736.22,1480.32 771.65,1480.32 771.65,1448.82 736.22,1448.82
  pour cut-out: 2397.64,415.35 2433.07,415.35 2433.07,331.69 2397.64,331.69
  pour cut-out: 715.55,391.73 843.5,391.73 843.5,287.4 715.55,287.4
  pour cut-out: 526.57,225.39 654.53,225.39 654.53,121.06 526.57,121.06
  pour cut-out: 163.39,689.96 198.82,689.96 198.82,607.28 164.37,607.28
  pour cut-out: 110.24,800.2 110.24,847.44 66.93,847.44 66.93,800.2
  pour cut-out: 2227.36,1136.81 2308.07,1136.81 2308.07,1083.66 2227.36,1083.66
  pour cut-out: 1906.5,694.88 1937.99,694.88 1937.99,659.45 1906.5,659.45
  pour cut-out: 1937.99,642.72 1906.5,642.72 1906.5,607.28 1937.99,607.28
  pour cut-out: 1896.98,473.43 1896.98,512.47 1896.65,512.8 1961.61,512.8 1961.61,473.43
  pour cut-out: 1753.94,442.91 1753.94,375.98 1799.21,375.98 1799.21,442.91
  pour cut-out: 1895.67,513.78 1895.67,468.5 1962.6,468.5 1962.6,513.78
  pour cut-out: 2227.36,999.02 2227.36,945.87 2308.07,945.87 2308.07,999.02
  pour cut-out: 2339.57,999.02 2339.57,950.79 2423.23,950.79 2423.23,999.02
  pour cut-out: 2137.8,580.71 2137.8,545.28 2167.32,545.28 2167.32,580.71
  pour cut-out: 2062.99,691.93 2062.99,611.22 2116.14,611.22 2116.14,691.93
  pour cut-out: 1946.85,693.9 1976.38,693.9 1976.38,660.43 1946.85,660.43
  pour cut-out: 1966.61,636.81 1966.61,630 1961.61,625
  pour cut-out: 1946.85,642.72 1976.38,642.72 1976.38,607.28 1946.85,607.28
  pour cut-out: 1812.01,766.73 1873.03,766.73 1873.03,717.52 1812.01,717.52
  pour cut-out: 1954.72,843.5 2023.62,843.5 2023.62,747.05 1954.72,747.05
  pour cut-out: 1812.01,896.65 1812.01,847.44 1873.03,847.44 1873.03,896.65
  pour cut-out: 1705.71,890.75 1766.73,890.75 1766.73,841.54 1705.71,841.54
  pour cut-out: 1744.09,1005.91 1779.53,1005.91 1779.53,1088.58 1744.09,1088.58
  pour cut-out: 1707.68,1008.86 1707.68,927.17 1741.14,927.17 1741.14,1008.86
  pour cut-out: 1347.44,312.01 1390.75,312.01 1390.75,264.76 1347.44,264.76
  pour cut-out: 1250,252.95 1281.5,252.95 1281.5,218.5 1250,218.5
  pour cut-out: 1237.2,306.1 1267.72,306.1 1267.72,271.65 1237.2,271.65
  pour cut-out: 1225.39,626.97 1225.39,599.41 1289.37,599.41 1289.37,626.97
  pour cut-out: 1225.39,550.2 1225.39,522.64 1290.35,522.64 1290.35,550.2
  pour cut-out: 1056.1,550.2 1056.1,522.64 1121.06,522.64 1121.06,550.2
  pour cut-out: 1017.72,486.22 1061.02,486.22 1061.02,438.98 1017.72,438.98
  pour cut-out: 1341.54,489.17 1341.54,453.74 1373.03,453.74 1373.03,489.17
  pour cut-out: 1315.94,842.52 1315.94,799.21 1363.19,799.21 1363.19,842.52
  pour cut-out: 1245.08,812.99 1275.59,812.99 1275.59,777.56 1245.08,777.56
  pour cut-out: 1244.09,760.83 1275.59,760.83 1275.59,725.39 1244.09,725.39
  pour cut-out: 540.35,1142.72 569.88,1142.72 569.88,1109.25 540.35,1109.25
  pour cut-out: 625.98,1026.57 648.62,1026.57 648.62,999.02 625.98,999.02
  pour cut-out: 503.94,1218.5 503.94,1176.18 610.24,1176.18 610.24,1218.5
  pour cut-out: 350.39,1218.5 350.39,1176.18 456.69,1176.18 456.69,1218.5
  pour cut-out: 747.05,777.56 778.54,777.56 778.54,742.13 747.05,742.13
  pour cut-out: 668.31,794.29 668.31,766.73 690.94,766.73 690.94,794.29
  pour cut-out: 1017.72,1038.39 1017.72,1011.81 1080.71,1011.81 1080.71,1038.39
  pour cut-out: 992.13,960.63 992.13,917.32 1039.37,917.32 1039.37,960.63
  pour cut-out: 636.81,457.68 636.81,427.17 672.24,427.17 672.24,457.68

## Silkscreen, mask and mechanical layers (free items; w line width, h text height)
Top Overlay:
  lines w10: 69.88,482.28 50.2,462.6 50.2,393.7 79.72,364.17 ; 69.88,511.81 84.65,511.81 ; 79.72,350.39 94.49,350.39 ; 84.65,462.6 69.88,462.6 69.88,556.1 84.65,556.1 ; 94.49,302.17 79.72,302.17 79.72,399.61 94.49,399.61 ; 2107.28,238.19 2141.73,238.19 ; 79.72,364.17 79.72,354.33 79.72,364.17
Bottom Overlay:
  lines w10: 359.25,701.77 415.35,701.77 ; 1169.29,963.58 1203.58,982.28 1239.23,982.28 ; 1282.48,782.48 1325.79,755.91 ; 1345.47,1201.77 1353.35,1186.02 ; 349.41,734.25 349.41,1078.74 595.47,1078.74 595.47,734.25 349.41,734.25
  text "USB 5v /   On" at 278.54,1495.08 h39.37
  text "Display" at 389.76,1448.82 h30
  text "SD" at 700.79,1439.96 h30
  text "MISO" at 331.69,1382.87 h30
  text "MISO" at 733.27,1382.87 h30
  text "MOSI" at 331.69,1332.68 h30
  text "MOSI" at 727.36,1332.68 h30
  text "CLK" at 331.69,1282.48 h30
  text "CLK" at 707.68,1282.48 h30
  text "CS" at 331.69,1230.32 h30
  text "CS" at 677.17,1230.32 h30
  text "0" at 517.72,1056.1 h39.37 r90
  text "I-Range" at 586.61,1028.54 h39.37 r90
  text "1" at 517.72,958.66 h39.37 r90
  text "2" at 511.81,872.05 h39.37 r90
  text "3" at 511.81,781.5 h39.37 r90
  text "Stats" at 1041.34,321.85 h40
  text "Reset" at 1040.35,167.32 h40
Top Solder:
  region: 2421.26,0 2421.26,39.37 2460.63,78.74 2460.63,1921.26 2421.26,1960.63 78.74,1960.63 39.37,1921.26 39.37,78.74 78.74,39.37 2421.26,39.37 2421.26,0 0,0 0,2000 2500,2000 2500,0
Bottom Solder:
  region: 2421.26,0 2421.26,39.37 2460.63,78.74 2460.63,1921.26 2421.26,1960.63 78.74,1960.63 39.37,1921.26 39.37,78.74 78.74,39.37 2421.26,39.37 2421.26,0 0,0 0,2000 2500,2000 2500,0
Mechanical 1:
  the board outline again, w10
Mechanical 15:
  lines w10: 0,2157.48 0,2314.96 ; 0,2236.22 2500,2236.22 ; 2500,2157.48 2500,2314.96 ; 2645.67,0 2803.15,0 ; 2645.67,2000 2803.15,2000 ; 2724.41,0 2724.41,2000
  text "2.5 in" at 996.06,2307.09 h60
  text "2 in" at 2850.39,881.89 h60 r90